# Altium PCB GL3520 4 Ports.PcbDoc (part 2 of 2)
Units mil, origin at the board's own origin, x right, y up, seen from the top; angles counter-clockwise.
Board outline 2362.2 x 2362.2 mil, 2 copper layers (Top Layer, Bottom Layer), stack 61.756 mil thick; 95 components, 85 nets, 418 pads, 538 vias.
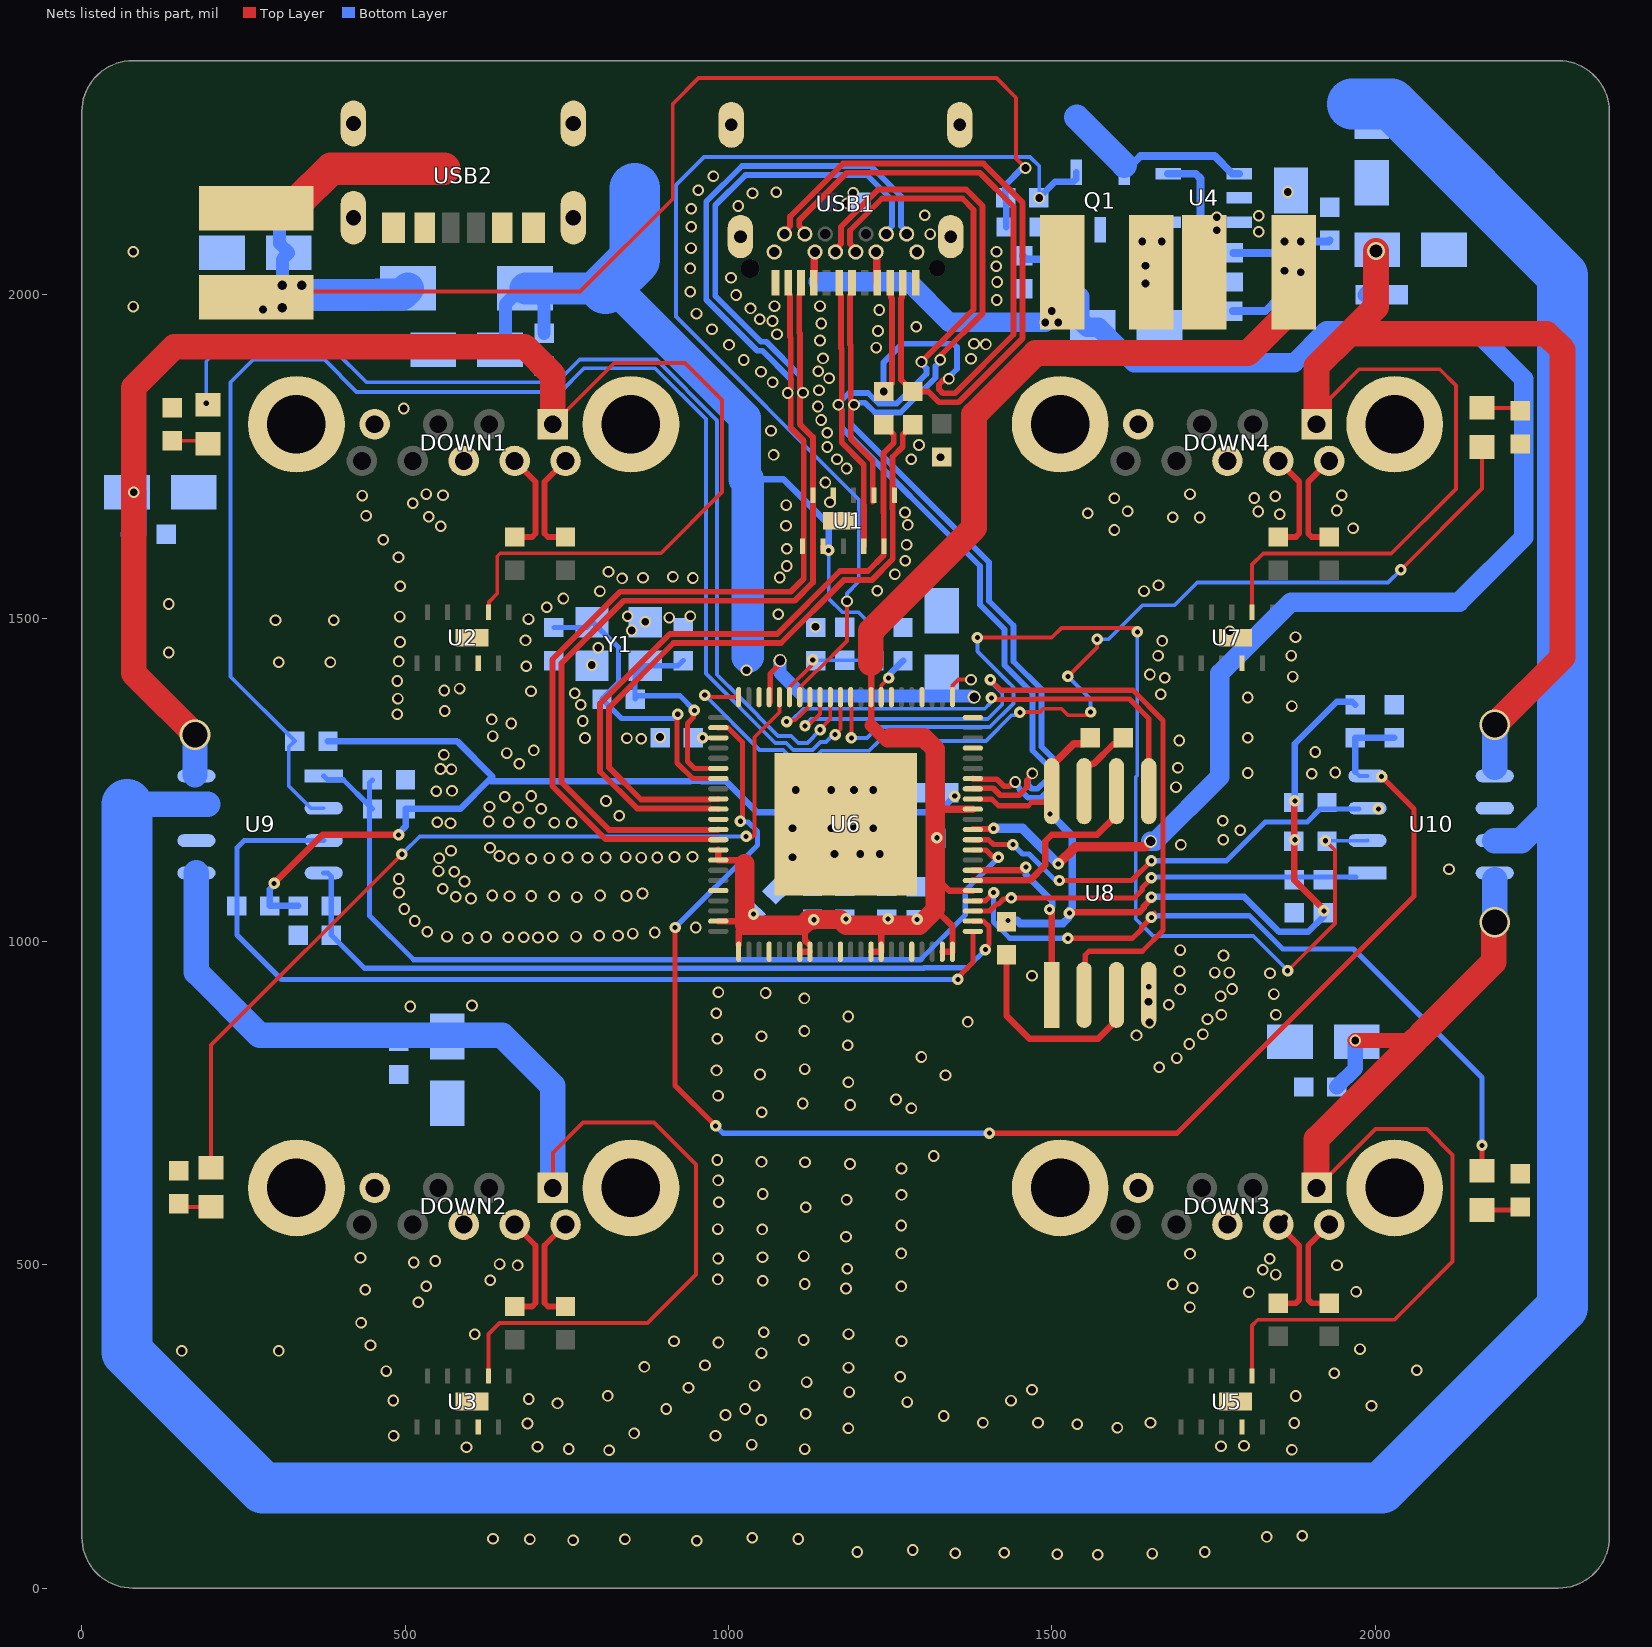
[diagram p2: the nets of this part, all layers, seen from the top]

## Via types
v1: diameter 18, hole 12, Top Layer to Bottom Layer, tented both sides, 458 vias
v2: diameter 17.72, hole 7.87, Top Layer to Bottom Layer, tented both sides, 65 vias
v3: diameter 20, hole 15, Top Layer to Bottom Layer, tented both sides, 6 vias
v4: diameter 118.11, hole 118.11, Top Layer to Bottom Layer, 4 vias
v5: diameter 47.24, hole 39.37, Top Layer to Bottom Layer, tented both sides, 3 vias
v6: diameter 27.56, hole 19.68, Top Layer to Bottom Layer, tented both sides, 1 vias
v7: diameter 17.72, hole 11.81, Top Layer to Bottom Layer, tented both sides, 1 vias

## Nets (pads, with @x,y where several pads share a name; then routed paths per layer and width w, separated by ;. In a path a pad name is that pad's centre, name@x,y a point inside that pad or via, vN(x,y) a via of type N, cw(c..) or ccw(c..) an arc to the next point about the centre after c; other vN are vias at no path point) (continued)
GND: C1.2 C2.2 C3.1 C4.1 C9.1 C11.1 C12.2 C13.1 C14.2 C15.2 C17.1 C20.1 C21.1 C22.1 C23.1 C24.1 C25.2 C26.1 C27.1 C28.1 C29.1 C30.2 C31.2 C33.1 C34.2 C35.1 C36.2 C37.1 DOWN1.4 DOWN1.7 DOWN1.G1 DOWN1.G2 DOWN2.4 DOWN2.7 DOWN2.G1 DOWN2.G2 DOWN3.4 DOWN3.7 DOWN3.G1 DOWN3.G2 DOWN4.4 DOWN4.7 DOWN4.G1 DOWN4.G2 R1.2 R3.2 R4.2 R7.1 R9.2 R10.1 R11.1 R12.1 R13.1 R24.2 R25.2 R26.2 R27.2 R28.2 R29.2 U1.9 U1.11 U2.9 U2.11 U3.9 U3.11 U4.2 U5.9 U5.11 U6.11 U6.18 U6.26 U6.33 U6.40 U6.67 U6.G1 U7.9 U7.11 U8.4 U9.6 U10.6 USB1.1 USB1.2 USB1.3 USB1.4 USB1.A1 USB1.A12 USB1.B1 USB1.B12 USB2.1 USB2.2 USB2.3 USB2.4 USB2.A12 USB2.B12 Y1.2 Y1.4 | length 50.3
  Top Layer w6: U6.67@1346.46,1377.95 1346.46,1395.94 1355.52,1405 v1(1375,1405)
  other v1: 1571.09,51.61 1508.29,52.52 1655.38,53.47 1350.89,53.94 1426.32,54.88 1199.12,55.83 1736.44,55.83 1284.83,59.1 951.05,73.11 759.75,74.1 692.9,75.55 839.79,75.55 1107.74,75.95 635.81,76.54 1036.95,77.99 1832.46,79.25 1887.31,81.1 815.38,213.29 1871.36,214.17 753.05,215.12 1118.05,215.08 594.84,218.03 704.71,218.5 1761.77,219.42 1797.35,220.24 1035.97,221.97 482.11,235.63 979.87,235.63 854.02,239.28 1185.5,247.4 1601.52,247.89 1539.22,253.51 689.28,254.73 1875.1,255.39 1393.52,255.85 1478.78,255.85 1652.58,255.87 1050.61,260.04 1333.09,266.14 995.47,267.84 1119.65,269.68 903.8,276.97 1025.73,277.13 1994.4,281.94 735.65,285.67 1276.4,287.72 481.6,290.28 1437.04,290.05 691.2,292.44 813.44,297.26 1877.46,297.08 1186.91,303.15 1469.4,306.94 938.09,309.84 1040.38,313.23 1120.85,318.62 1265.61,327.05 1936.95,332.21 470.85,335.67 2064.4,336.94 1185.53,341.1 869.97,342.2 963.68,344.61 1051.09,363.5 154.4,366.94 304.4,366.94 1976.76,369.69 446.48,375.67 984.47,379.88 915.87,381.82 1267.5,381.87 1116.16,383.74 607.5,392.76 1185.71,392.91 1054.51,395.71 431.83,410.32 1713.6,434.29 520.16,442.05 1804.84,457.77 1970.68,458.24 438.17,461.58 1181.77,463.39 1718.05,464.25 532.68,466.94 1267.03,466.65 1118.05,470.43 1686.95,469.8 1053.05,475.24 631.42,476.21 983.53,477.48 1846.54,484.94 1826.4,492.44 1183.65,493.86 673.88,499.13 1941.17,499.46 646.05,501.1 513.33,503.54 546.52,505.98 1837.15,509.29 984,509.84 430.85,510.87 1052.56,511.84 1116.65,513.52 1713.78,516.94 1267.03,517.72 1181.76,543.5 983.53,555.28 1052.07,554.76 1267.03,560.83 1119.47,588.94 984.94,596.81 1182.7,600.67 1267.5,608.15 1053.05,609.45 984,630.63 1267.5,648.9 1187.85,655.93 1051.09,659.21 1118.45,658.74 982.54,662.05 1317.39,668.31 1051.6,735.83 1282.94,742.13 1188.33,747.28 1115.02,749.49 1259.08,755.71 984,761.58 1185.5,782.44 1335.65,793.16 1048.66,794.39 981.56,800.71 1117.94,802.68 1666.1,805.56 1693.17,819.76 1298.33,821.34 1184.59,839.57 1712.66,841.54 982.54,849.53 1051.09,853.43 1631.01,854.84 1733.72,856.69 1117.46,861.73 1651.28,874.8 1370.12,875.67 1740.81,879.96 1185.06,884.1 1762.32,886.91 1846.66,886.83 981.09,889.13 507.93,899.45 603.31,901.12 1680.93,902.05 1649.4,906.94 1117.46,912.01 1761.09,915.36 1843.53,918.66 1057.42,920.47 984.47,921.5 1698.76,925.95 1778.92,926.54 1469.4,946.94 1837.54,951.1 1752.05,951.94 1774.4,951.94 1697.54,954.06 1765.5,978.31 1698.76,986.73 596.56,1005.51 705.34,1006.22 625.5,1006.93 659.43,1006.58 683.45,1006.58 728.33,1007.28 564.75,1007.64 764.35,1007.64 800.02,1009.06 829.35,1009.06 851.95,1012.24 885.85,1014.02 534.04,1015.08 949.47,1021.77 514.94,1031.65 498.68,1050.39 601.89,1066.5 578.17,1069.1 765.46,1068.74 661.38,1070.08 730.42,1069.8 842.31,1070.36 634.53,1071.14 695.1,1070.51 801.44,1071.22 866.99,1074.29 490.57,1075.47 558.05,1081.81 591.73,1092.75 490.22,1096.65 576.04,1107.98 551.56,1108.9 2114.4,1111.94 694.98,1128.15 552.5,1128.74 667.6,1128.5 722.82,1129.06 750.97,1129.96 782.07,1129.65 810,1130 865.18,1129.8 890,1130 1098.95,1130.27 841.13,1130.55 916.48,1130.71 944.47,1131.1 645.89,1132.32 1163.95,1135.27 1203.95,1135.27 1233.95,1135.27 570.97,1140.32 631.2,1145.2 1699.67,1149.73 1765.1,1157.5 1791.32,1172.21 1098.95,1175.27 1158.95,1175.27 1193.95,1175.27 1223.95,1175.27 570.2,1182.8 660.3,1184.49 691.99,1183.78 730.77,1183.78 757.81,1183.54 549.71,1184.61 629.12,1185.63 1764.4,1186.94 831.02,1194.41 710.47,1205.43 675.16,1207.28 630.34,1208.39 810.63,1217.44 653.88,1223.94 695.14,1225.04 548.05,1232.6 572.54,1232.95 1103.95,1234.27 1158.95,1234.27 1193.95,1234.27 1223.95,1234.27 1692.19,1238.86 1902.11,1259.33 1803.19,1260.66 1938.39,1261.31 554.71,1266.89 571.48,1266.54 1695.06,1268.94 676.32,1274.96 559.94,1288.9 657.2,1291.46 1907.5,1293.03 698.76,1295.59 1697.07,1310.83 842.93,1314.45 865.22,1313.58 778.09,1314.69 1803.17,1315.12 894.24,1316.14 635.42,1317.68 664.02,1337.24 774.55,1341.02 633.99,1343.57 487.79,1351.35 561.24,1356.5 1871.4,1364.1 771.48,1366.18 488.73,1375.69 1803.17,1377.32 1668.68,1382.52 762.11,1384.1 694.63,1387.16 560.34,1388.31 584.19,1391.13 487.78,1402.84 1674.67,1407.99 1872.5,1409.76 1651.79,1412.99 687.15,1425.87 788.49,1427.68 304.4,1431.94 384.4,1431.94 490.14,1433.23 1664.4,1441.94 1870.47,1442.2 134.4,1446.94 798.68,1454.25 491.99,1463.19 1670.69,1464.96 686.09,1465.71 1876.91,1470.83 1775,1480 850.42,1481.06 1134.4,1486.94 871.16,1494.61 299.4,1496.94 389.4,1496.94 690.77,1498.62 908.53,1500.95 491.52,1502.52 844.31,1503.07 941.13,1503.19 1076.83,1506.1 719,1517.09 134.4,1521.94 744.71,1530.47 801.16,1541.69 1230.14,1542.36 1642.72,1541.93 492.47,1549.3 1665.06,1551.02 835.53,1561.58 945,1562.24 867.74,1562.68 1079.47,1563.03 914.08,1564.13 1257.39,1567.99 814.4,1571.94 1090.3,1580.79 1273.46,1588.78 489.67,1594.21 1090.3,1607.56 1275.5,1613.74 466.28,1621.38 1596.86,1636.45 1966.05,1639.2 555.18,1642.42 1089.06,1642.87 1277.11,1644.37 1687.11,1656.26 1728.92,1655.71 536.48,1656.93 439.59,1658.35 1852.7,1660.67 1555.59,1662.31 1273.07,1663.58 1819.14,1665.06 1617.23,1665.59 1940.73,1666.69 1089.41,1674.96 511.68,1677.99 1156.95,1679.45 1596.87,1685.43 1813.09,1685.98 1845.53,1688.7 433.53,1689.69 558.45,1690.15 1948.45,1690.35 532.68,1691.94 1713.78,1691.94 1149.94,1709.84 1182.74,1731.61 1167.78,1745.87 1282.54,1745.95 1327.92,1748.87 1069.83,1752.6 1152.78,1764.76 1294.67,1767.91 1152.78,1786.89 1065.73,1789.88 1143.27,1806.65 497.93,1824.45 1138.31,1827.4 1139.94,1852.52 1068.25,1864.92 1155.65,1871.06 1050.26,1881.26 1138.88,1882.13 1023.8,1899.25 1375.12,1901.22 1146.1,1901.81 1228.68,1918.54 1000.93,1922.68 1398.11,1923.5 1379.68,1924.65 1141.5,1929.45 1074.96,1939.25 1231.36,1944.17 974.47,1946.97 1290.34,1950.95 1143.43,1955.91 1068.15,1959.72 1048.33,1962.21 950.5,1971.1 1233.13,1976.73 1034.16,1979.13 79.4,1981.94 1071.13,1982.72 1141.5,1982.72 1414.79,1992.21 1011.83,1999.84 940.77,2005.04 1415.46,2019.96 1003.92,2026.54 941.01,2040.98 1414.25,2044.33 79.4,2066.94 1414.55,2066.61 942.03,2072.4 1311.91,2094.06 942.27,2105.59 1303.37,2123.39 942.27,2133.31 1015.13,2137.53 1183.33,2141.54 1037.11,2157.21 1192.74,2158.11 1073.96,2158.66 1864.98,2159.09 953.35,2161.85 976.68,2183.43
  other v2: 1650,930
NetC32_1: C32.1 R8.2 R9.1 U4.5 | length 258.7
  Bottom Layer w12: U4.5@1679.88,2187.4 1722.6,2187.4 1730,2180 1730,2063.09 1728.82,2061.91 1728.82,2020 C32.1@1728.82,1975
NetC38_2: C38.2 DOWN1.8 | length 160.4
  Top Layer w9: C38.2@669.29,1625.59 696.39,1625.59 701.66,1630.86 701.66,1677.45 701.66,1710.94 DOWN1.8@669.29,1743.31
NetC39_2: C39.2 DOWN1.9 | length 160.4
  Top Layer w9: C39.2@748.03,1625.59 720.94,1625.59 715.66,1630.86 715.66,1683.24 715.66,1710.94 DOWN1.9@748.03,1743.31
NetC40_2: C40.2 DOWN2.8 | length 169.3
  Top Layer w9: C40.2@669.29,435.59 696.39,435.59 701.66,440.86 701.66,491.89 701.66,529.83 DOWN2.8@669.29,562.2
NetC41_2: C41.2 DOWN2.9 | length 169.3
  Top Layer w9: C41.2@748.03,435.59 720.94,435.59 715.66,440.86 715.66,497.69 715.66,529.83 DOWN2.9@748.03,562.2
NetC42_2: C42.2 DOWN3.8 | length 164.3
  Top Layer w9: C42.2@1850.4,440.59 1877.49,440.59 1882.77,445.86 1882.77,494.39 1882.76,529.83 DOWN3.8@1850.39,562.2
  other v1: 1859.4,571.94
NetC43_2: C43.2 DOWN3.9 | length 164.3
  Top Layer w9: C43.2@1929.14,440.59 1902.04,440.59 1896.77,445.86 1896.77,500.19 1896.76,529.83 DOWN3.9@1929.13,562.2
NetC44_2: C44.2 DOWN4.8 | length 160.4
  Top Layer w9: C44.2@1850.4,1625.59 1877.49,1625.59 1882.77,1630.86 1882.77,1677.45 1882.76,1710.94 DOWN4.8@1850.39,1743.31
NetC45_2: C45.2 DOWN4.9 | length 160.4
  Top Layer w9: C45.2@1929.14,1625.59 1902.04,1625.59 1896.77,1630.86 1896.77,1683.24 1896.76,1710.94 DOWN4.9@1929.13,1743.31
NetD2_K: D2.K R10.2 | length 57
  Top Layer w6: R10.2@140,1774.41 190.27,1774.41 D2.K@195,1769.69
NetD3_K: D3.K R11.2 | length 61
  Top Layer w8: D3.K@2165.35,584.69 2219.68,584.69 R11.2@2224.41,589.41
NetD4_K: D4.K R12.2 | length 52
  Top Layer w6: R12.2@150,594.41 154.72,589.69 D4.K@200,589.69
NetD5_K: D5.K R13.2 | length 61
  Top Layer w6: D5.K@2165.35,1825.31 2219.69,1825.31 R13.2@2224.41,1820.59
NetF1_2: F1.2 LB3.2
  other v1: 1644.98,2017.52 1645,2045 1639.98,2082.52 1669.98,2082.52
NetLB4_1: LB4.1 U4.3
  other v1: 1819.98,2097.52 1755,2100 1755,2120 1819.98,2122.52
NetR14_2: R14.2 U8.3 | length 329.9
  Top Layer w10: R14.2@1430,979.41 1430,885 1465,850 1571.85,850 1600,878.15 U8.3@1600,917.52
NetR15_1: R15.1 U8.7 | length 115.7
  Top Layer w10: U8.7@1550,1232.48 1550,1268.16 1556.3,1274.46 1561.91,1274.46 1562.67,1275.22 1565.22,1275.22 1595,1305 1600.59,1305 R15.1@1610.59,1315
OVCUR1#: R17.2 U6.78 U9.2 | length 2269.3
  Top Layer w6: v2(1165,1320) 1173.23,1328.23 U6.78@1173.23,1377.95
  Bottom Layer w6: U9.2@374.02,1206.1 354.33,1206.1 320,1240.43 320,1300.58 R17.2@329.41,1310 230,1409.41 230,1865 265,1900 375,1900 425,1850 740,1850 776.51,1886.51 886.36,1886.51 965,1807.88 965,1414.44 1072.3,1307.14 1089.33,1307.14 1100.18,1296.3 1129.82,1296.3 1142.17,1308.64 1151.1,1308.64 1162.46,1320 v2(1165,1320)
OVCUR2#: R18.2 U6.45 U9.3 | length 1500.7
  Top Layer w8: v2(1354.89,941.47) 1354.89,944.1 1360,949.21 1360,950 1377.95,967.95 U6.45@1377.95,1015.75
  Bottom Layer w8: U9.3@374.02,1156.1 251.1,1156.1 240,1145 240,1055 240,1010 308.53,941.47 v2(1354.89,941.47)
OVCUR3#: R21.2 U6.77 U10.2 | length 1729.1
  Top Layer w6: U6.77@1188.98,1377.95 1190,1376.93 v2(1190,1315) ; v2(1385,1470) 1500,1470 1515,1485 1626.49,1485 v2@1630,1481.49 ; v2(1864.87,954.87) 1937.82,1027.82 1937.82,1141.13 v2(1923.1,1155.85)
  Bottom Layer w6: v2(1190,1315) 1214.09,1315 1230.9,1331.81 1404.09,1331.81 1440.55,1368.28 1440.55,1393.29 1429.98,1403.86 1385,1448.84 v2(1385,1470) ; v2(1632.26,1479) 1632.26,1256.62 1629.93,1254.28 1629.93,1035.07 1656.58,1008.42 1811.58,1008.42 1864.87,955.13 v2(1864.87,954.87) ; v2(1923.1,1155.85) 1987.93,1155.85 U10.2@1988.19,1156.1
OVCUR4#: R22.2 U6.54 U10.3 | length 665.2
  Top Layer w8: U6.54@1377.95,1157.48 1378.02,1157.42 1402.33,1157.42 1409.74,1150 1430,1150 ; v2(1511.66,1094.41) 1623.48,1094.41 v2(1654.07,1125)
  Bottom Layer w8: v2(1440,1150) 1454.77,1135.27 1464.99,1135.27 1510,1090.26 1510,1090 1509.4,1090 1511.66,1092.26 v2(1511.66,1094.41) ; v2(1654.07,1125) 1770,1125 1830,1185 1895,1185 1915,1205 U10.3@1975,1205
  other v2: 2005,1205
PGANG: R28.1 U6.74 | length 70.4
  Top Layer w6: U6.74@1236.22,1377.95 1236.23,1396.05 v2(1247.75,1407.56)
  Bottom Layer w10: v2(1247.75,1407.56) 1250.18,1409.99 1250.18,1414.59 R28.1@1270,1434.41
PGREEN1: D2.A U6.79 | length 1598.4
  Top Layer w6: v2(1141.64,1327.47) 1141.64,1328.36 1157.48,1344.19 U6.79@1157.48,1377.95
  Bottom Layer w6: v2(192.39,1832.42) 192.39,1897.39 210,1915 390,1915 440,1865 735,1865 770,1900 888.43,1900 982.36,1806.07 982.36,1412.64 1015.5,1379.5 1076.86,1318.14 1097.15,1318.14 1108,1307.3 1121.96,1307.3 1141.64,1326.98 v2(1141.64,1327.47)
PGREEN2: D4.A U6.84 | length 1391.7
  Top Layer w6: D4.A@200,650.32 200,840.03 v2(494.89,1134.92) ; v2(1027.28,1162.54) 1029.52,1160.29 1034.71,1160.29 1035,1160 1040,1165 1040,1315.86 1078.74,1354.6 U6.84@1078.74,1377.95
  Bottom Layer w6: v2@497.5,1137.5 522.54,1162.54 v2(1027.28,1162.54)
PGREEN3: D3.A U6.48 | length 1123
  Top Layer w8: U6.48@1377.95,1062.99 1378.02,1063.05 1397.39,1063.05 v2(1410,1075.66) ; v2(1525,1005) 1625,1005 1638.61,1018.61 1638.61,1021.94 v2(1654.07,1037.4) ; v2@1655.74,1035.74 1655.74,1041.11 v2@1658.93,1044.3 ; D3.A@2165.35,645.32 v2(2165.35,684.65)
  Bottom Layer w8: v2(1410,1075.66) 1410,1030 1435,1005 v2(1525,1005) ; v2(1654.07,1037.4) 1655.93,1039.26 1664.26,1039.26 1665,1040 1805.63,1040 1857.17,988.46 1966.54,988.46 2165.35,789.65 v2(2165.35,684.65)
PGREEN4: D5.A U6.88 | length 1619.5
  Top Layer w6: v2@965,1385 972.05,1377.95 U6.88@1015.75,1377.95 ; v2(1450.56,1354.44) 1451.12,1355 1481.59,1355 1486.59,1360 1515,1360 1525,1350 v2@1560,1350 ; v2(1525,1410) 1570,1455 v2(1570,1467.5) ; v2(2040,1575) 2165.35,1700.35 D5.A@2165.35,1764.68
  Bottom Layer w6: v2(963.31,1381.09) 1048.26,1296.14 1084.77,1296.14 1095.62,1285.3 1134.38,1285.3 1144.08,1295 1217.5,1295 1232.89,1310.39 1398.27,1310.39 1437.88,1350 v2@1445,1350 ; v2(1525,1410) 1560,1375 v2(1560,1355) ; v2(1570,1467.5) 1587.7,1467.5 1640.2,1520 1690,1520 1725,1555 2020,1555 v2(2040,1575)
PSELF: Q1.1 R2.1 U6.82 | length 1656.1
  Top Layer w6: U6.82@1110.24,1377.95 1110.59,1378.31 1110.59,1393.19 1136.12,1418.72 1137.35,1418.72 1183.34,1464.71 v1(1183.34,1526.2)
  Bottom Layer w6: v1(1183.34,1526.2) 1183.34,1538.34 1201.54,1556.54 1201.54,1683.82 918.74,1966.61 918.74,2170.08 962.03,2213.37 1466.45,2213.37 1480.67,2199.15 v1(1480.67,2150.04)
  Bottom Layer w10: R2.1@1485,2155 1505.31,2175.31 1533.74,2175.31 1537.6,2179.17 Q1.1@1537.6,2190
PWREN1#: R16.2 R24.1 U6.53 U9.1 | length 1441.1
  Top Layer w8: U6.53@1377.95,1141.73 U6.53@1377.95,1141.73 1398.33,1141.67 1410,1130 v2(1417.5,1130)
  Bottom Layer w8: U9.1@374.02,1256.1 379.86,1250.26 404.15,1250.26 R16.2@445,1209.41 ; R16.2@449.41,1205 R16.2@445,1209.41 ; R24.1@449.41,1250 445,1245.6 R16.2@445,1209.41 ; v2(1417.5,1130) 1366.25,1078.75 1366.25,1041.25 1296.69,971.69 513.31,971.69 445,1040 R16.2@445,1209.41
PWREN2#: R19.2 R25.1 U6.46 U9.4 | length 1212.1
  Top Layer w8: U6.46@1377.95,1031.5 1394.57,1031.5 1402.7,1023.36 1402.7,995.36 v2@1398.1,990.76
  Bottom Layer w8: U9.4@374.02,1106.1 380.19,1106.1 385.59,1100.7 R19.2@385.59,1055 R25.1@385.59,1010 436.9,958.69 1302.08,958.69 1302.72,959.33 1369.3,959.33 v2(1397.39,987.42)
PWREN3#: R20.2 R26.1 U6.47 U10.1 | length 617.3
  Top Layer w8: U6.47@1377.95,1047.24 1403.92,1047.24 1414.48,1057.81 1417.4,1057.81 1425.45,1065.86 1436.41,1065.86 v2@1437.97,1067.42 ; v2(1437.39,1067.42) 1627.42,1067.42 1639.82,1079.82 1639.82,1083.57 1654.07,1097.82 v2(1654.07,1098.82)
  Bottom Layer w8: v2(1654.07,1098.82) 1655.26,1100 1875,1100 1920,1100 U10.1@1970,1100
PWREN4#: R23.2 R27.1 U6.2 U10.4 | length 2313.8
  Top Layer w8: v2(917.48,1021.69) 917.48,777.52 v2(980,715) ; U6.2@984.25,1330.71 999.29,1330.71 1021.72,1308.28 1021.72,1192.13 1018.31,1188.72 v2(1018.31,1186.09) ; v2(1403.58,703.58) 1693.58,703.58 2060,1070 2060,1205 v2(2010,1255)
  Bottom Layer w6: U10.4@1969.34,1262.42 1975.66,1256.1 U10.4@1988.19,1256.1
  Bottom Layer w8: v2(917.48,1021.69) 1045.14,1149.35 1045.14,1169.93 1030.07,1185 1019.4,1185 v2(1018.31,1186.09) ; v2(980,715) 991.42,703.58 v2(1403.58,703.58)
  Bottom Layer w10: U10.4@1969.34,1262.42 R23.2@1969.34,1314.91 R27.1@2029.35,1314.9
RESET: C27.2 R5.1 R7.2 U6.83 | length 163
  Top Layer w6: U6.83@1094.49,1377.95 1094.85,1378.31 1094.85,1393.43 1128.12,1426.7 1128.12,1433.33 v2(1130.36,1435.57)
  Bottom Layer w6: R7.2@1135,1434.41 1135.59,1435 C27.2@1180,1435 1224.4,1435 R5.1@1225,1434.41
RTERM: R29.1 U6.3 | length 24.2
  Top Layer w6: v2(960.13,1315.13) 960.21,1315.04 984.17,1315.04 U6.3@984.25,1314.96
SPI_CLK: U6.50 U8.6 | length 322.6
  Top Layer w10: U6.50@1377.95,1094.49 U6.50@1377.95,1094.49 1466.19,1094.52 1490,1118.33 1490,1155 1500,1165 1570,1165 1600,1195 U8.6@1600,1232.48
SPI_CZ: U6.51 U8.1 | length 302.1
  Top Layer w10: U6.51@1377.95,1110.24 1456.49,1110.24 1460,1113.75 v2(1460,1115) ; v2(1496.48,1049.56) 1500,1046.05 U8.1@1500,917.52
  Bottom Layer w10: v2(1460,1115) 1460,1103.39 1500.49,1062.89 1500.49,1053.58 v2(1496.48,1049.56)
SPI_DI: U6.81 U8.5 | length 764.8
  Top Layer w6: v2(1090,1340) 1092.24,1342.24 1103.22,1342.24 1112.84,1351.86 1125.05,1364.07 1125.05,1364.7 1125.98,1365.63 U6.81@1125.98,1377.95
  Top Layer w8: v2(1406.49,1376.84) 1406.56,1376.84 1409.2,1374.2 1474.2,1374.2 1475,1375 1620,1375 1650,1345 U8.5@1650,1232.48
  Bottom Layer w6: v2(1090,1340) 1096.16,1340 1116.16,1360 1396.31,1360 1404.25,1367.94 1404.25,1374.6 v2(1406.49,1376.84)
SPI_DO: U6.80 U8.2 | length 1238.6
  Top Layer w6: v2(1118.36,1333.54) 1121.53,1333.54 1124.89,1336.9 1126.35,1336.9 1141.37,1351.92 1141.37,1377.59 U6.80@1141.73,1377.95
  Top Layer w8: v2(1405,1405) 1421.5,1388.5 1625.4,1388.5 1671.93,1341.97 1671.93,1016.93 1640,985 1557.59,985 1551.74,979.14 1551.74,919.25 U8.2@1550,917.52
  Bottom Layer w6: v2(1118.36,1333.54) 1118.36,1334.96 1127.73,1344.33 1401.05,1344.33 1423.35,1366.63 1423.35,1383.83 1405,1402.17 v2(1405,1405)
TX+: C8.2 USB1.A2 USB1.B2 | length 1050.9
  Top Layer w9: USB1.B2@1086.62,2094.09 1086.62,2097.93 1095.37,2106.68 1095.37,2121.28 1177.14,2203.06 1394.38,2203.06 1454.94,2142.49 1454.94,1932.85 1355.98,1833.89 1325.75,1833.89 1309.05,1850.59 C8.2@1285,1850.59 1266.84,1868.75 1266.84,1994.61 1268.28,1996.05 1268.28,2014.3 USB1.A2@1269.88,2015.89
TX-: C7.2 USB1.A3 USB1.B3 | length 1190.4
  Top Layer w9: USB1.B3@1118.11,2094.09 1118.11,2097.93 1109.37,2106.68 1109.37,2115.48 1182.94,2189.06 1388.58,2189.06 1440.94,2136.69 1440.94,1938.65 1350.19,1847.89 1331.55,1847.89 1325.5,1853.94 1325.5,1861.39 1332.78,1868.67 1339.14,1868.67 v1(1340.87,1870.39) ; v1(1240,1850.59) 1252.84,1863.42 1252.84,1994.61 1251.4,1996.05 1251.4,2017.49 USB1.A3@1249.99,2018.9
  Bottom Layer w9: v1(1240,1850.59) 1240,1895.71 1268.78,1924.49 1348.15,1924.49 1353.43,1919.22 1353.43,1885.39 1340.87,1872.83 v1(1340.87,1870.39)
UP_DN: U1.4 U6.59 USB1.A7 USB1.B7 | length 2014.6
  Top Layer w9: USB1.A7@1171.26,2018.9 1172.66,2017.49 1172.66,2000.9 1174.1,1999.46 1174.1,1917.93 1175.07,1916.97 1175.07,1837.5 ; 1175.07,1822.5 1175.07,1771.74 1209.25,1737.55 1209.25,1675.7 1209.62,1675.33 1209.62,1611.63 U1.4@1209.25,1611.26 ; USB1.B7@1196.85,2066.53 1196.85,2070.37 1188.11,2079.12 1188.11,2099.74 1237.31,2148.94 1362.01,2148.94 1379.11,2131.84 1379.11,1977.3 1319.45,1917.64 1298.46,1896.65 v1(1298.46,1896.42) ; U6.59@1377.95,1236.22 1378.52,1236.78 1390.33,1236.78 1390.64,1237.09 1409.5,1237.09 1420.33,1226.26 1449.14,1226.26 1461.86,1238.98 1461.86,1249.42 1470,1257.56 v1(1470,1260)
  Bottom Layer w9: v1(1298.46,1896.42) 1298.46,1894.23 1306.05,1886.65 1306.05,1877.84 1260.3,1832.09 1232.34,1832.09 1215.93,1848.5 1186.47,1848.5 1170,1832.03 v1(1170,1830) 1170,1827.56 1175.07,1822.5 1175.07,1794.6 1388.99,1580.67 1388.99,1520.87 1426.86,1483.01 1426.86,1427.38 1470.08,1384.16 1470.08,1295.46 1492.5,1273.03 1492.5,1250.68 1478.05,1236.23 1468.95,1236.23 1463.68,1241.5 1463.68,1251.24 1470,1257.56 v1(1470,1260)
UP_DP: U1.7 U6.60 USB1.A6 USB1.B6 | length 1932.6
  Top Layer w9: USB1.B6@1165.36,2066.53 1165.36,2070.37 1174.11,2079.12 1174.11,2105.53 1231.51,2162.94 1367.81,2162.94 1393.11,2137.63 1393.11,1971.5 v1@1329.35,1907.74 ; 1189.07,1822.5 1189.07,1777.53 1223.25,1743.35 U1.7@1223.25,1680.39 ; 1189.07,1837.5 1189.07,1922.77 1188.1,1923.73 1188.1,1999.46 1189.54,2000.9 1189.54,2017.49 USB1.A6@1190.95,2018.9 ; U6.60@1377.95,1251.97 1378.52,1251.4 1390.33,1251.4 1390.64,1251.09 1415.3,1251.09 1426.13,1240.26 1434.54,1240.26 1440.92,1246.64 v1(1443.36,1246.64)
  Bottom Layer w9: v1(1194.13,1830) 1194.13,1827.56 1189.07,1822.5 1189.07,1800.4 1402.99,1586.47 1402.99,1526.67 1440.86,1488.81 1440.86,1433.18 1484.08,1389.96 1484.08,1301.26 1506.5,1278.83 1506.5,1244.88 1483.85,1222.23 1463.15,1222.23 1449.68,1235.7 1449.68,1237.89 ; 1203.83,1833.34 1211.29,1833.34 1226.54,1818.09 1266.1,1818.09 1320.05,1872.04 1320.05,1889.88 1327.63,1897.47 v1(1327.63,1899.66)
UP_RXN: U1.10 U6.12 USB1.A10 USB1.B10 | length 2073.4
  Top Layer w9: U6.12@984.25,1173.23 983.69,1172.66 971.88,1172.66 971.57,1172.35 815.48,1172.35 741.63,1246.2 741.63,1430.33 838.23,1526.93 1102.32,1526.93 1130.51,1555.12 U1.10@1130.51,1690 1130.51,1780.08 1110.41,1800.19 v1@1110.41,1841.4 ; v1@1110.41,1855.85 1110.41,1940.18 1109.36,1941.22 1109.36,1999.46 1110.8,2000.9 1110.8,2017.49 USB1.A10@1112.2,2018.9
  Bottom Layer w9: v1(1115.2,1848.62) 1115.2,1851.06 1110.41,1855.85 1110.41,1875.56 1058.35,1927.61 1050.38,1927.61 1008.23,1969.76 979.61,1998.39 979.61,2138.58 1026.57,2185.55 1214.13,2185.55 1252.85,2146.84 1252.85,2106.68 1244.1,2097.93 USB1.B10@1244.1,2094.09
UP_RXP: U1.1 U6.13 USB1.A11 USB1.B11 | length 2143.3
  Top Layer w9: U6.13@984.25,1157.48 983.69,1158.04 971.88,1158.04 971.57,1158.35 809.68,1158.35 727.63,1240.41 727.63,1436.13 832.43,1540.93 1096.52,1540.93 1116.51,1560.92 1116.51,1774.28 1096.41,1794.39 v1@1096.41,1841.16 ; USB1.A11@1092.52,2018.9 1093.92,2017.49 1093.92,2000.9 1095.36,1999.46 1095.36,1935.42 1096.41,1934.38 v1@1096.41,1855.61
  Bottom Layer w9: v1(1091.61,1848.39) 1091.61,1850.82 1096.41,1855.61 1096.41,1869.76 1052.55,1913.61 1044.58,1913.61 1002.69,1955.5 965.61,1992.59 965.61,2144.38 1020.78,2199.55 1219.93,2199.55 1266.85,2152.64 1266.85,2106.68 1275.59,2097.93 USB1.B11@1275.59,2094.09
UP_TXN: C8.1 U1.6 U6.9 | length 1037.6
  Top Layer w9: U6.9@984.25,1220.47 983.69,1219.91 971.88,1219.91 971.57,1219.6 864.66,1219.6 815.43,1268.82 815.43,1362.08 915.14,1461.79 1081.19,1461.79 1178.32,1558.91 1221.66,1558.91 1254.19,1591.44 1254.19,1668.34 1253.84,1668.69 1253.84,1690 1253.84,1749.45 1269.5,1765.11 1269.5,1783.91 C8.1@1285,1799.41
UP_TXP: C7.1 U1.5 U6.10 | length 1060.8
  Top Layer w9: U6.10@984.25,1204.72 983.69,1205.29 971.88,1205.29 971.57,1205.6 858.86,1205.6 801.43,1263.02 801.43,1367.88 909.34,1475.79 1075.39,1475.79 1172.52,1572.91 1215.86,1572.91 1240.19,1597.23 1240.19,1611.26 1240.19,1662.55 1239.84,1662.89 1239.84,1755.24 1255.5,1770.91 1255.5,1783.91 C7.1@1240,1799.41
VAUX: C2.1 C4.2 D1.1 LB5.2 R1.1 R2.2 | length 1926.7
  Top Layer w6: LB5.2@270,1996.1 279.02,2005.13 770.4,2005.13 913.78,2148.5 913.78,2295.34 953.63,2335.2 1414.37,2335.2 1444.65,2304.92 1444.65,2211.13 v1(1459.41,2196.37)
  Bottom Layer w10: R1.1@1429.41,2105 1429.41,2149.41 R2.2@1428.82,2150 1427.91,2149.1 1427.91,2169.76 1454.52,2196.37 v1(1459.41,2196.37)
  Bottom Layer w20: C4.2@305.59,2125 305.59,2079.41 C2.1@320,2065 310,2055 v3(310,2015)
  Bottom Layer w50: 340,2000 456.85,2000 457.4,2000.55 495,2000.55 D1.1@504.45,2010
  other v1: 279.98,1977.52
  other v3: 310,1980 340,2015
VAUX1: LB5.1 USB2.A9 USB2.B9 | length 315.6
  Top Layer w50: LB5.1@270,2133.9 279.45,2143.35 333.58,2143.35 385.24,2195 560.26,2195
VCC: C14.1 C17.2 C30.1 D1.2 Q1.2 R5.2 U1.2 U4.1 U4.4 U6.86 U9.7 U10.7 | length 7398
  Top Layer w10: U1.2@1146.26,1611.26 1146.26,1607.59 1147.32,1606.53 1153.47,1606.53 v2(1155,1605)
  Bottom Layer w6: 1047.51,1457.51 1052.49,1457.51 ; v2(1155,1605) 1155,1530.5 1176.3,1509.2 1201.39,1509.2 R5.2@1225,1485.59 ; Q1.2@1612.4,2190 Q1.2@1612.4,2200.83
  Bottom Layer w10: 1030,1715 1085,1715 1155,1645 v2(1155,1605)
  Bottom Layer w12: D1.2@686.55,2010 D1.2@715,1981.55 ; Q1.2@1612.4,2190 1637.4,2215 1751.69,2215 1779.29,2187.4 U4.1@1790.12,2187.4
  Bottom Layer w20: C14.1@646.57,1915 655,1923.43 655,1985.55 D1.2@679.45,2010 ; D1.2@685.55,2010 D1.2@686.55,2010 ; C17.2@715,1940.59 D1.2@715,1981.55
  Bottom Layer w39.37: 70,1212.05 U9.7@195,1212.05 ; 1538.78,2274.45 Q1.2@1612.4,2200.83 ; U10.7@2185.04,1156.1 2226.1,1156.1 2290,1220
  Bottom Layer w50: D1.2@686.55,2010 810,2010 ; 817.5,2017.5 902,1933 902.1,1933 1025,1810.1 1025,1715 ; 1030,1440 1030,1715
  Bottom Layer w78.74: 70,1212.05 70,365 280,155 2010,155 2290,435 2290,1220 2290,2030 2025,2295 1964.66,2295 ; 810,2010 817.5,2017.5 855,2055 855,2165
  other v1: 1027.93,1419.45
VD12: C9.2 C11.2 C21.2 C22.2 C23.2 C24.2 C31.1 C32.2 C33.2 LB4.2 R8.1 U6.14 U6.15 U6.21 U6.23 U6.29 U6.30 U6.36 U6.37 U6.43 U6.44 U6.49 U6.57 U6.75 | length 2690
  Top Layer w6: 1220,1430.54 1220.47,1430.07
  Top Layer w10: U6.21@984.25,1031.5 1018.5,1031.5 1025,1025 1015.75,1015.75 U6.23@1015.75,995 ; U6.14@984.25,1141.73 U6.15@984.25,1125.98 1019.14,1125.98 1025,1120.13 ; U6.29@1110.5,984.25 U6.30@1125.98,984.25 ; U6.30@1124.92,995 1118.37,1001.55 1118.37,1014.19 1126.86,1022.68 1128.84,1022.68 ; U6.36@1220.47,984.25 U6.37@1236.22,984.25 1236.22,1011.22 1250,1025 ; 1220.47,1334.53 U6.75@1220.47,1377.95 1220.47,1430.07 ; 1320,1050 1346.46,1023.54 U6.44@1346.46,984.25 U6.43@1330.71,984.25 ; 1320,1100 1341.26,1078.74 U6.49@1377.95,1078.74
  Top Layer w12: 1320,1215 1330.28,1204.72 U6.57@1377.95,1204.72
  Top Layer w20: 1220.47,1334.53 1245,1310
  Top Layer w30: 1025,1120.13 1025,1042.41 1025,1025 1115.04,1025 1123.68,1033.64 v2(1132,1033.64) ; v2@1132,1034 1172.79,1034 1181.79,1025 1250,1025 1295,1025 1320,1050 1320,1100 1320,1160.51 1320,1215 1320,1297.43 1302.43,1315 1250,1315
  Top Layer w40: 1220,1430.54 1220,1480 1380,1640 1380,1815 1475,1910 1803.03,1910 1873.9,1980.87 LB4.2@1873.9,2035
  Bottom Layer w12: C32.2@1780,1975 1830,1975 1849.43,1994.43 1849.43,2037.85 C31.1@1870,2058.43 1863.43,2065 R8.1@1780.59,2065 ; v1(1884.98,2082.52) 1928.11,2082.52 C33.2@1930,2084.41
  other v1: 1885,2035 1859.98,2037.52 1859.98,2082.52
  other v2: 1291.78,1034.32 1181.79,1034.92 1246.79,1034.92 1038.69,1042.41 1322.37,1160.51
VD33: C15.1 C20.2 R14.1 R15.2 R16.1 R17.1 R18.1 R19.1 R20.1 R21.1 R22.1 R23.1 U6.58 U6.63 U6.66 U6.70 U6.73 U6.85 U8.8 | length 3306.4
  Top Layer w8: U6.85@1064.49,1369.92 1064.49,1414.49 v3@1077.32,1427.32 ; U6.58@1387.35,1220 1407.5,1220 1417.5,1210 1463.75,1210 1469.03,1215.28 1492.78,1215.28 1500,1222.5 U8.8@1500,1232.48
  Top Layer w10: v2(297.2,1090) 372.2,1165 v2(490,1165) ; v2@1528.26,1045 1635,1045 1642.07,1052.07 1642.07,1054.73 1654.07,1066.73 v2(1654.07,1068.82) ; v2(1875.96,1217.4) 1875,1216.44 1875,1095 1920.96,1049.04 v2(1920.96,1047.4)
  Top Layer w12: U8.8@1500,1232.48 1500,1271.85 1534.15,1306 1550.41,1306 R15.2@1559.41,1315 ; v2(1527.26,1044) v2@1528.26,1045
  Bottom Layer w10: v2@299.39,1090 v2(297.2,1090) 297.2,1087.43 290.59,1080.83 R18.1@290.59,1055 R19.1@334.41,1055 ; R17.1@380.59,1310 580,1310 635,1255 630,1250 ; v2(490,1165) 490,1167.4 500.59,1178 R16.1@500.59,1205 585,1205 630,1250 ; v2(1350,1225) 1325,1200 1044.22,1200 996.22,1248 958.87,1248 957.87,1249 942.13,1249 941.13,1248 632,1248 630,1250 ; v2(1654.07,1068.82) 1654.26,1069 1797.54,1069 1851.54,1015 1896.78,1015 1920.96,1039.18 v2(1920.96,1047.4) ; v2(1875.96,1217.4) 1875.96,1305.96 1940.86,1370.86 1964.57,1370.86 R23.1@1969.34,1366.09
  Bottom Layer w12: v2(1432.55,1032.71) 1432.68,1032.58 1446.4,1032.58 1450.97,1028.02 1517.38,1028.02 1526.17,1036.81 1526.17,1042.91 v2(1527.26,1044) 1528.36,1045.09 1528.36,1049.23 1531.52,1052.39 1531.52,1163.3 v2(1497.39,1197.42)
  Bottom Layer w20: v3(1080,1434.68) 1080,1415 1115,1380 1375,1380 1377,1378 v3(1380,1378)
  other v2: 1875.96,1157.4
VDP1: C12.1 C13.2 DOWN1.1 U2.2 U9.8 | length 2411.6
  Top Layer w6: U2.2@629.68,1517.87 629.68,1525.36 642.42,1538.1 642.42,1595.89 647.01,1600.47 895.47,1600.47 990,1695 990,1837.56 932.56,1895 823.35,1895 DOWN1.1@728.35,1800
  Top Layer w39.37: v5(175,1320) 95,1400 80,1415 v7(80,1695) 80,1856.94 143.06,1920 685,1920 728.35,1876.65 DOWN1.1@728.35,1800
  Bottom Layer w39.37: C13.2@79.41,1630 80,1630.58 v7(80,1695) ; U9.8@175,1258.27 v5(175,1320)
VDP2: C25.1 C26.2 DOWN2.1 U3.2 U9.5 | length 1851.8
  Top Layer w6: U3.2@628.74,327.95 628.74,392.81 645.94,410 875,410 950,485 950,655 885,720 775,720 728.35,673.35 DOWN2.1@728.35,618.9
  Bottom Layer w39.37: U9.5@177.16,1106.1 177.16,952.84 275,855 650,855 728.35,776.65 DOWN2.1@728.35,618.9
VDP3: C34.1 C35.2 DOWN3.1 U5.2 U10.8 | length 1625.9
  Top Layer w6: U5.2@1809.84,327.95 1809.84,406.33 1818.51,415 2030,415 2120,505 2120,670 2080,710 2000.55,710 DOWN3.1@1909.45,618.9 ; 2061.94,846.94 2070,855
  Top Layer w23.62: v1(1969.4,846.94) 2061.94,846.94
  Top Layer w40: DOWN3.1@1909.45,618.9 1909.45,694.45 2061.94,846.94 ; 2070,855 2183.61,968.61 2183.61,1028.61 v5(2185,1030)
  Bottom Layer w23.62: C35.2@1940.59,775 1969.4,803.82 v1(1969.4,846.94)
  Bottom Layer w40: v5(2185,1030) 2185,1095
VDP4: C36.1 C37.2 DOWN4.1 U7.2 U10.5 | length 2279.4
  Top Layer w6: U7.2@1809.84,1509.05 1809.84,1582.81 1827.04,1600 2025,1600 2125,1700 2125,1860 2100,1885 1975,1885 1930.07,1840.07 1930.07,1820.62 DOWN4.1@1909.45,1800
  Top Layer w40: DOWN4.1@1909.45,1800 1909.45,1889.45 1960,1940 ; v6(2001.51,2068.04) 2001.51,1981.51 1960,1940 ; v5(2185,1335) 2290,1440 2290,1915 2265,1940 1960,1940
  Bottom Layer w23.62: C37.2@1984.41,2000 1999.71,2015.29 ; 2001.51,2015.29 v6(2001.51,2068.04)
  Bottom Layer w40: 2185,1270 v5(2185,1335)
VMAIN: C1.1 C3.2 F1.1 Q1.3 U6.55 | length 2346.4
  Top Layer w10: U6.55@1378.76,1174.04 v2@1408.3,1174.04
  Top Layer w15: v2@1408.3,1174.04 1409.26,1175 v2(1410,1175) ; v2(1510,1120) 1536.36,1146.36 1644.29,1146.36 v3(1652.93,1155)
  Bottom Layer w12: C3.2@1455,2060.59 1460.58,2055 1498.5,2055 1517.5,2036 F1.1@1517.5,2030
  Bottom Layer w15: v2(1410,1175) 1455,1175 v2(1510,1120)
  Bottom Layer w30: F1.1@1517.5,2030 1517.5,2022.5 1542.99,1997.01 1542.99,1961.57 1554.57,1950 C1.1@1563.43,1950 1572.28,1950 1627.28,1895 1875,1895 1925,1945 2155,1945 2230,1870 2230,1625 2130,1525 1870,1525 1760,1415 1760,1255 1660,1155 v3(1652.93,1155)
VMAIN1: LB3.1 USB1.A4 USB1.A9 USB1.B4 USB1.B9 | length 477.1
  Top Layer w6: USB1.A9@1131.88,2018.9 USB1.A9@1132.87,2019.89 ; USB1.B4@1132.87,2065.54 USB1.B4@1133.86,2066.53 ; USB1.B9@1228.35,2066.53 USB1.B9@1229.33,2065.55 ; USB1.A4@1229.33,2019.88 USB1.A4@1230.32,2018.9
  Top Layer w11.81: USB1.A9@1132.87,2019.89 USB1.B4@1132.87,2065.54 ; USB1.A4@1229.33,2019.88 USB1.B9@1229.33,2065.55
  Bottom Layer w6: USB1.B4@1131.81,2064.48 USB1.B4@1133.86,2066.53
  Bottom Layer w30: 1138.58,2020.08 1278.98,2020.08 1341.54,1957.52 v1(1489.98,1957.52)
  other v1: 1509.98,1957.52 1500,1975
X1: C28.2 R6.1 U6.6 Y1.1 | length 358.9
  Top Layer w8: v2(947.39,1357.42) 945.53,1355.56 945.53,1346.29 936.5,1337.26 936.5,1278.5 947.29,1267.72 U6.6@984.25,1267.72
  Bottom Layer w8: C28.2@930,1434.41 922.13,1426.54 Y1.1@871.34,1426.54 855.59,1410.79 R6.1@855.59,1375 860.6,1380 924.82,1380 v2(947.39,1357.42)
X2: C29.2 R6.2 U6.7 Y1.3 | length 492.6
  Top Layer w8: v2(921.59,1351.56) 920.43,1350.41 920.43,1276.18 944.65,1251.97 U6.7@984.25,1251.97
  Bottom Layer w8: C29.2@730,1485.59 780.79,1485.59 Y1.3@788.66,1493.46 790.63,1493.46 821.57,1462.53 822.47,1462.53 830,1455 830,1400.58 R6.2@804.41,1375 834.41,1345 916.35,1345 921.59,1350.24 v2(921.59,1351.56)
pads on no net: U1.3 U1.8 U2.3 U2.8 U3.3 U3.8 U5.3 U5.8 U6.1 U6.4 U6.5 U6.8 U6.22 U6.52 U6.56 U6.76 U6.87 U7.3 U7.8 USB1. USB1.A8 USB1.B8 USB2.A5 USB2.B5
copper on no net:
  other v4: 118.11,118.11 2244.09,118.11 118.11,2244.09 2244.09,2244.09

## Polygon pours and split planes (outlines as drawn)
GND on Bottom Layer "Bottom Layer-GND" (solid, remove dead copper, pour order 33): -73.7,2427.52 -78.43,2422.8 -78.43,-110.08 2525.79,-110.08 2540.08,-95.79 2540.08,2437.05 -64.13,2437.05 -78.43,2422.76
VMAIN1 on Bottom Layer "VMAIN1_L02_P000" (solid, remove dead copper, pour order 0): 1120,1970 1120,1920 1245,1920 1245,1970
VCC on Bottom Layer "Bottom Layer-VCC" (solid, remove dead copper, pour order 31): 803.15,2409.41 798.15,2401.89 798.15,2119.8 905.98,2119.8 907.2,2118.58 907.2,2242.68 2025.51,2242.68 2034.29,2251.46 2034.29,2401.89 811.38,2401.89 807.95,2405.31
VCC on Bottom Layer "Bottom Layer-VCC 1" (solid, remove dead copper, pour order 29): 805.83,2392.95 805,2392.13 805,2148.66 907.17,2148.66 907.99,2147.83 907.99,2281.46 1965.98,2281.46 1963.43,2284.02 1963.43,2404.88 808.39,2404.88 807.52,2405.75 807.52,2387.83
VCC on Bottom Layer "VCC_L02_P027" (solid, remove dead copper, pour order 27): 816.22,2173.38 816.22,2376.06 812.44,2379.84 830.91,2398.31 1974.02,2398.31 1974.02,2239.29 1953.82,2259.49 894.25,2259.49 894.25,2173.23
VMAIN1 on Bottom Layer "Bottom Layer-VMAIN1" (solid, remove dead copper, pour order 23): 1118.58,2072.17 1117.95,2071.54 1117.95,2004.13 1250.87,2004.13 1251.5,2004.76 1251.5,2070.91
VCC on Bottom Layer "VCC_L02_P003" (solid, remove dead copper, pour order 3): 1005,1440 1055,1440 1055,1400 1005,1400
NetLB4_1 on Bottom Layer "NETLB4_1_L02_P011" (solid, pour order 11): 1745,2130 1745,2090 1830,2090 1830,2130
VCC on Bottom Layer "VCC_L02_P010" (solid, pour order 10): 1607.5,2170 1607.5,2107.5 1605,2105 1715,2105 1715,2150 1645,2150 1645,2185 1607.5,2185
VCC on Bottom Layer "VCC_L02_P009" (solid, pour order 9): 1580,2295 1580,2170 1635,2170 1635,2295
VMAIN on Bottom Layer "VMAIN_L02_P008" (solid, remove dead copper, pour order 8): 1520,2125 1520,2040 1590,2040 1590,2125
NetF1_2 on Bottom Layer "NETF1_2_L02_P007" (solid, remove dead copper, pour order 7): 1625,1990 1685,1990 1685,2095 1625,2095
VMAIN1 on Bottom Layer "VMAIN1_L02_P006" (solid, remove dead copper, pour order 6): 1470,1985 1470,1935 1520,1935 1520,1985
VAUX on Bottom Layer "VAUX_L02_P005" (solid, pour order 5): 255,2030 255,1960 360,1960 360,2030
GND on Top Layer "GND_L01_P020" (solid, remove dead copper, pour order 20): -40,2455 -55,2440 -55,-130 2525,-130 2510,-115 2510,2450
VD33 on Top Layer "VD33_L01_P018" (solid, remove dead copper, pour order 18): 1245,1385 1245,1335 1340,1335 1340,1215 1395,1215 1395,1225 1375,1225 1390,1240 1390,1385
VAUX1 on Top Layer "VAUX1_L01_P004" (solid, remove dead copper, pour order 4): 515,2120 515,2220 665,2220 665,2120
VD33 on Top Layer "VD33_L01_P019" (solid, pour order 19): 1065,1445 1065,1415 1105,1415 1105,1455
VCC on Top Layer "VCC_L01_P002" (solid, remove dead copper, pour order 2): 1005,1440 1005,1400 1040,1400 1040,1380 1055,1380 1055,1440
VD12 on Top Layer "VD12_L01_P017" (solid, remove dead copper, pour order 17): 1210,1430 1210,1365 1230,1365 1230,1430
NetLB4_1 on Top Layer "NETLB4_1_L01_P012" (solid, pour order 12): 1745,2130 1830,2130 1830,2090 1745,2090

## Keep-outs
Keep-Out Layer:
  the board outline again, w10

## Silkscreen, mask and mechanical layers (free items; w line width, h text height)
Top Overlay:
  text "GL3520-22-HUB-USB3.0-V2020.8.29-REV2.0     By Geekchun" at 340.51,95.36 h78.74
Mechanical 1:
  the board outline again, w10